# KiCad board frothfet.kicad_pcb (continued)
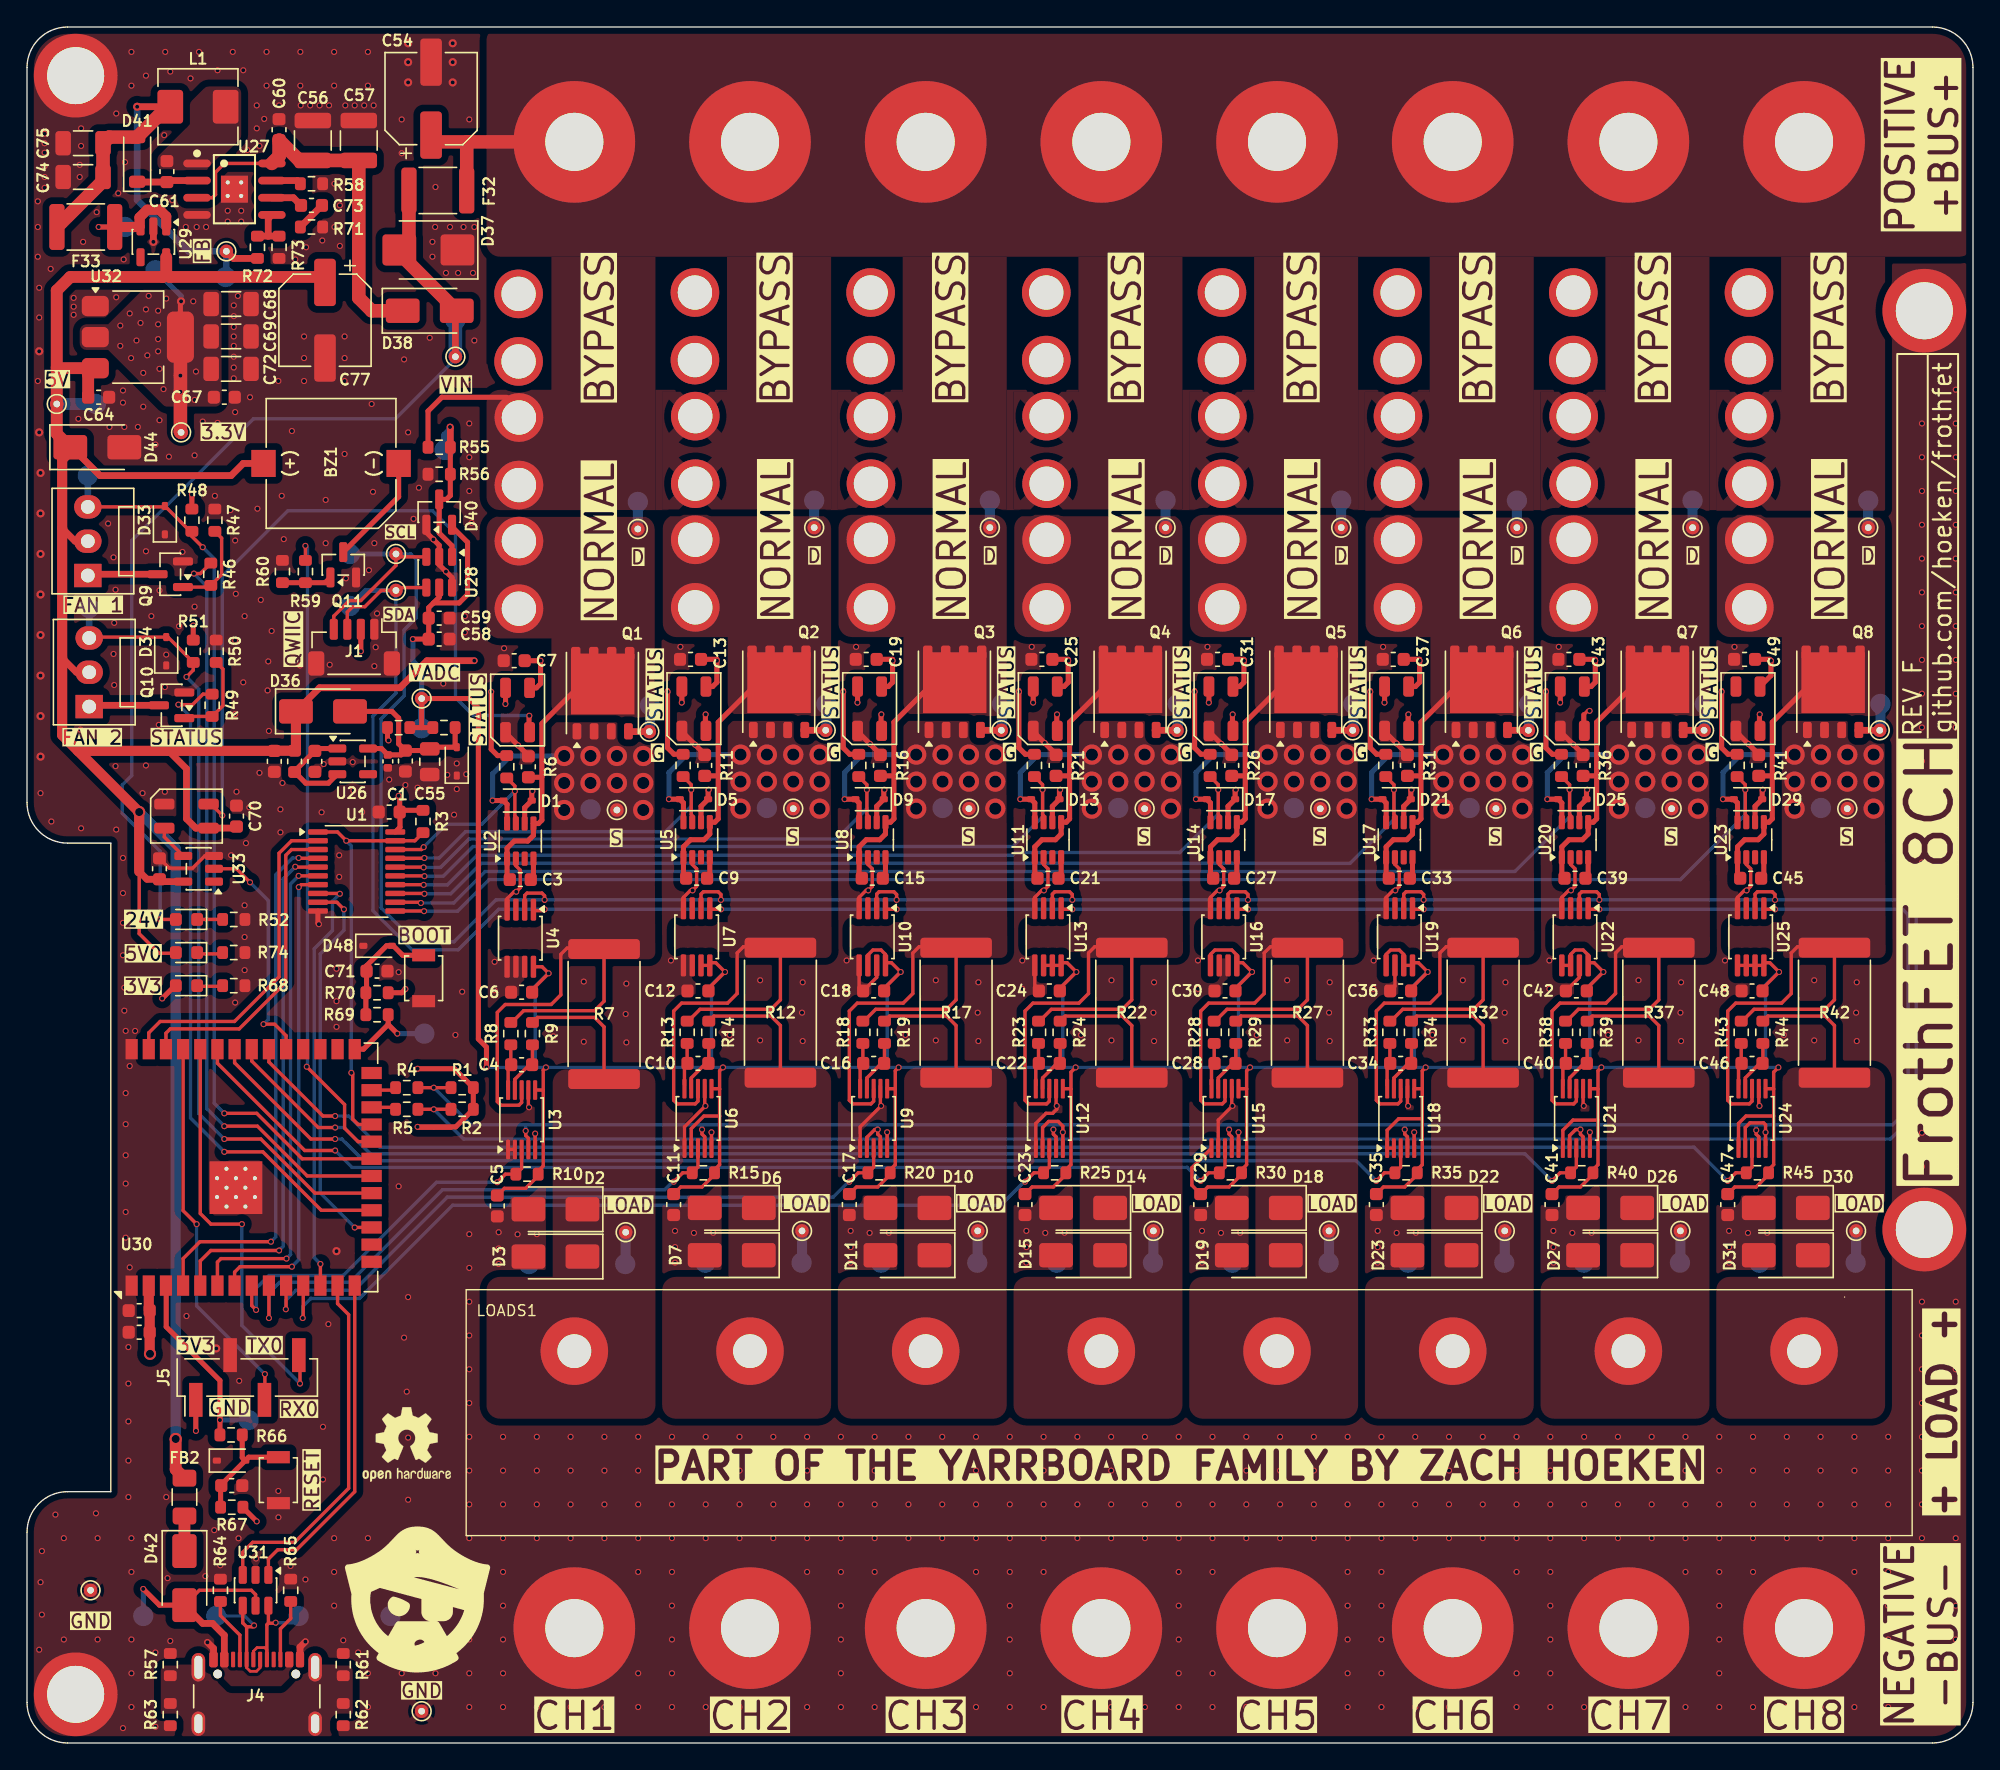
[diagram p0: board, top side]
## Routing (per net, layer and track width the routed paths; a pad name or vN(x,y) marks a point on that pad's centre or on a via; arc(x,y) is an arc through that point) (continued)
+5V: length 327.1
  Top w0.25: 11.01,58.45 9.75,58.45 8.3,59.9 8.3,64.5
  Top w0.375: D8.1 50.74,78.19 51.05,78.5 51.05,80.2 C13.2 ; C37.2 103.05,80.2 103.05,78.5 102.74,78.19 D24.1 ; C7.2 v1(38,80.1) 38,78.4 37.69,78.09 D4.1 ; D32.1 129.05,79 v1(129.05,80.1) 128.95,80.2 C49.2 ; C43.2 116.05,80.2 116.05,78.5 115.74,78.19 D28.1 ; D20.1 89.74,78.19 90.05,78.5 90.05,80.2 C31.2 ; C19.2 64.05,80.2 64.05,78.5 63.74,78.19 D12.1 ; C25.2 77.05,80.2 77.05,78.5 76.74,78.19 D16.1
  Top w0.5: 2.6,80.3 3.66,79.25 M2.2 ; C65.1 8.88,63.92 8.3,64.5 ; 15.39,67.71 D47.1 12.49,67.71 11.8,68.4 11.8,72.1 10.48,73.42 ; 2.6,89.9 3.55,88.94 4.5,88.94 ; v1(33.1,80.1) 29.6,80.1 27.6,78.1 21.65,78.1 D36.1 ; 3.4,95.8 5.4,93.8 15.1,93.8 16,94.7 BZ1.1 ; U33.5 9.98,63.75
  Top w0.75: FB1.1 18.31,73.44 ; D36.1 19.9,73.54 ; 8.3,64.5 v2(8.3,68.9) 3.77,73.42 ; 18.3,73.42 3.77,73.42 ; 3.77,73.42 2.6,74.6 2.6,95 3.4,95.8
  Top w0.875: 2.2,101.8 2.25,101.75 U32.3 4.52,101.22 C64.1 ; 2.2,101.8 2.2,107.5 3.2,108.5 10.05,108.5 10.3,108.75 ; 2.2,101.8 TP40.1 2.2,96.9 D44.1 ; 10.3,108.75 10.55,108.5 21.65,108.5 C77.1 ; 10.3,108.75 U29.5 ; v2(11,22.5) 11,20.25 FB2.2
  In2.Cu w0.5: v1(33.1,80.1) v1(129.05,80.1)
  Bottom w0.75: v2(11,22.5) 11,66.2 v2(8.3,68.9)
  Bottom w0.875: TP40.1 TP39.1
  vias: v1(51.05,80.1) v1(64.05,80.1) v1(77.05,80.1) v1(90.05,80.1) v1(103.05,80.1) v1(116.05,80.1)
+24V: length 23.4
  Top w0.375: 35.5,99.6 30.7,99.6 29.67,98.58 R55.2
  Top w1: F32.2 32.54,118.44 32.6,118.5 ; C54.1 30.4,118.5 32.6,118.5 ; 32.6,118.5 J2.1
/ESP32-S3/VBUS: length 17.9
  Top w0.25: D42.2 12.75,11.3 16.6,11.3 16.91,10.99 U31.5
  Top w0.375: D42.2 9.8,10.2 v1(8.6,11.4)
  Top w0.5: D42.2 13,8.85 13.72,8.85 14.6,7.97 J4.A4
  Bottom w0.375: TP42.1 v1(8.6,11.4)
GND: length 113.3
  Top w0.2: 126.57,61.78 126.57,62.51 ; 87.57,61.78 87.57,62.51 ; 113.57,61.78 113.57,62.51 ; U4.4 35.53,62.41 ; 100.57,61.78 100.57,62.51 ; 61.58,61.78 61.58,62.51 ; 74.58,61.78 74.58,62.51 ; 48.58,61.78 48.58,62.51
  Top w0.25: 114.22,65.55 114.22,65.03 114.55,64.7 114.55,63.4 v1(114.25,63.1) 114.09,63.1 113.57,62.59 113.57,61.78 ; 126.57,61.78 126.57,62.59 127.09,63.1 v1(127.25,63.1) 127.55,63.4 127.55,64.7 127.22,65.03 127.22,65.55 ; U15.2 88.15,46.1 v1(89.2,47.15) 89.15,47.2 89.15,48.6 ; U22.7 114.88,56.66 C42.2 ; 101.22,65.55 101.22,65.03 101.55,64.7 101.55,63.4 v1(101.25,63.1) 101.09,63.1 100.57,62.59 100.57,61.78 ; v1(102.2,47.15) 102.15,47.2 102.15,48.6 ; U10.7 62.88,56.66 C18.2 ; 101.22,57.55 101.22,56.01 C36.2 ; v1(37.15,47.05) 37.1,47.1 37.1,48.5 ; U2.2 36.17,64.93 36.5,64.6 36.5,63.3 v1(36.2,63) 36.04,63 35.53,62.49 U4.4 ; U3.2 U3.1 ; 74.58,61.78 74.58,62.59 75.09,63.1 v1(75.25,63.1) 75.55,63.4 75.55,64.7 75.22,65.03 75.22,65.55 ; 115.15,48.6 115.15,47.2 v1(115.2,47.15) ; U9.1 61.65,45.6 v1(63.2,47.15) 63.15,47.2 63.15,48.6 ; v1(128.2,47.15) 128.15,47.2 128.15,48.6 ; 61.58,61.78 61.58,62.59 62.09,63.1 v1(62.25,63.1) 62.55,63.4 62.55,64.7 62.22,65.03 U8.2 ; U13.5 74.58,55.96 ; 87.57,61.78 87.57,62.59 88.09,63.1 v1(88.25,63.1) 88.55,63.4 88.55,64.7 88.22,65.03 88.22,65.55 ; U10.5 61.58,55.96 ; 48.58,61.78 48.58,62.59 49.09,63.1 v1(49.25,63.1) 49.55,63.4 49.55,64.7 49.22,65.03 U5.2 ; C65.2 10.52,64.75 12.25,64.75 13.15,65.65 U33.3 ; U12.1 74.65,45.85 75.4,46.6 75.9,46.6 76.2,46.9 v1(76.2,47.15) 76.15,47.2 76.15,48.6 ; U6.1 48.65,45.6 v1(50.2,47.15) 50.15,47.2 50.15,48.6
  Top w0.375: U28.6 31.45,86.25 v1(31,86.7) 30.5,87.2 U28.2 30.5,88.65 v1(30.07,89.07) 29.55,89.6 D40.1 ; 87.41,74.91 v1(88.37,73.95) 89.15,73.17 ; 50.15,73.17 v1(49.44,73.89) 48.41,74.91 ; 76.15,73.17 v1(75.31,74.01) 74.41,74.91 ; 63.15,73.17 v1(62.39,73.94) 61.41,74.91 ; 128.15,73.17 v1(127.38,73.94) 126.41,74.91 ; U1.10 21.53,60.67 v1(21.6,60.6) ; 35.36,74.81 v1(36.33,73.83) 37.1,73.07 ; 113.41,74.91 v1(114.42,73.9) 115.15,73.17 ; 100.41,74.91 v1(101.35,73.97) 102.15,73.17
  Top w0.5: J4.A1 13.8,7 v1(13.35,7.45) ; J4.A12 20.2,7.1 v1(20.6,7.5) ; U29.2 v3(9.35,111.1)
  vias: v1(0.8,114.1) v1(0.8,112.2) v1(0.8,110) v1(0.8,100.8) v1(0.9,107.7) v1(0.9,105.5) v1(0.9,6.9) v1(1,70.3) v1(1,11.9) v1(1.1,14.2) v1(1.1,9.5) v1(1.3,119.1) v1(1.3,118.4) v1(1.3,117.7) v1(1.3,116.7) v1(1.3,115.9) v1(1.3,115.1) v1(1.75,109.1) v1(1.8,68.2) v1(2.1,16.9) v1(2.73,15.16) v1(2.73,7.66) v1(3.45,106.95) v1(3.45,106.3) v1(3.45,105.7) v1(3.8,98) v1(3.9,116.8) v1(3.9,115.9) v1(4,119.5) v1(4,118.2) v1(3.95,75) v1(4,67.7) v1(4.15,111.1) v1(5.15,113.3) v1(5.1,17) v1(5.23,15.16) v1(5.23,7.66) v1(6,90.25) v1(6.1,97.4) v1(6.4,87.75) v1(6.4,80.6) v1(6.55,85.35) v1(6.45,82.9) v1(6.45,78.3) v1(6.55,72.3) v1(6.6,120.6) v1(6.6,107) v1(6.6,67.6) v1(6.75,114.7) v1(7.15,109.8) v1(7.1,100.1) v1(7.1,99.2) v1(7.1,65.5) v1(7.1,62.9) v1(7.1,60.7) v1(7.1,58.3) v1(7.1,1.1) v1(7.25,117) v1(7.2,97.4) v1(7.2,55.9) v1(7.2,54.2) v1(7.3,52.7) v1(7.3,48.1) v1(7.3,45.8) v1(7.3,43.5) v1(7.3,41.4) v1(7.3,39.3) v1(7.3,37.4) v1(7.5,29.3) v1(7.5,26.6) v1(7.5,23.8) v1(7.5,20.9) v1(7.5,18.2) v1(7.6,50.1) v1(7.6,35.2) v1(7.73,125.16) v1(7.73,122.66) v1(7.73,15.16) v1(7.73,12.66) v1(7.73,7.66) v1(7.73,5.16) v1(7.73,2.66) v1(8,52.7) v1(8.2,97.4) v1(8.55,70.3) v1(8.6,98.9) v1(8.8,123.4) v1(8.8,88.2) v1(8.8,72.35) v1(9.2,83.4) v1(9.5,96.1) v1(9.5,6.7) v1(9.5,1.2) v1(9.8,97.9) v1(9.8,85.3) v1(9.75,75.35) v1(10.15,119) v1(10.23,125.16) v1(10.2,78.15) v1(10.2,70.4) v1(10.3,80.55) v1(10.3,18.2) v1(10.4,12.2) v1(10.5,95.2) v1(10.6,123.7) v1(10.6,7.55) v1(10.75,114.2) v1(11.25,82.65) v1(11.5,88.15) v1(11.75,112.2) v1(11.8,31.6) v1(12.1,123.2) v1(12.4,95.3) v1(12.4,84.1) v1(12.55,112.2) v1(12.72,125.16) v1(13,97.8) v1(13.25,112.2) v1(13.2,12.35) v1(13.85,15.75) v1(13.9,92.3) v1(14.1,123.8) v1(14.1,97.7) v1(14.3,13.15) v1(14.85,113.4) v1(14.85,112.6) v1(15.05,91.25) v1(15.1,65.7) v1(15.22,125.16) v1(15.3,106.4) v1(15.3,105.6) v1(15.3,104.8) v1(15.3,104.1) v1(15.3,103.4) v1(15.3,102.6) v1(15.3,101.8) v1(15.3,101) v1(15.4,98.5) v1(15.4,89) v1(15.4,81.6) v1(15.4,76.15) v1(15.4,54.8) v1(15.45,85.05) v1(15.5,70.4) v1(15.6,107.1) v1(15.7,26.8) v1(15.65,15.15) v1(15.85,113.4) v1(15.85,112.6) v1(16,123.8) v1(16,78.5) v1(16.1,83.4) v1(16.1,62) v1(16.1,59.65) v1(16.1,57.2) v1(16.2,66.6) v1(16.3,117.9) v1(16.5,99.6) v1(16.45,69.25) v1(17,121.2) v1(17,119.5) v1(17.05,91.35) v1(16.95,13.65) v1(17.2,118.2) v1(17.2,71.8) v1(17.3,84.6) v1(17.55,120.2) v1(17.72,125.16) v1(17.72,122.66) v1(17.85,80.05) v1(17.8,77.9) v1(17.9,74.9) v1(18.1,82.3) v1(18.6,100.8) v1(18.6,18.65) v1(18.6,16.7) v1(18.65,121.2) v1(18.85,92.3) v1(18.75,69.1) v1(18.75,67.4) v1(18.9,71.05) v1(19,89.1) v1(19.5,13.1) v1(19.6,97.1) v1(19.85,109.8) v1(20.22,125.16) v1(20.22,122.66) v1(20.25,121.2) v1(20.2,79.75) v1(20.5,104.1) v1(20.5,102.5) v1(20.5,100.8) v1(20.6,12.1) v1(20.65,110.7) v1(20.95,121.2) v1(21.65,121.2) v1(21.85,111.2) v1(21.8,68.88) v1(21.9,23.4) v1(21.9,19.5) v1(21.95,72.45) v1(22.1,92) v1(22.1,88.8) v1(22.35,121.2) v1(22.3,31) v1(22.4,79.8) v1(22.72,125.16) v1(22.72,122.66) v1(22.72,15.16) v1(22.72,12.66) v1(22.72,10.16) v1(22.75,115.4) v1(22.75,112.2) v1(22.9,57.3) v1(22.9,54.9) v1(22.9,53) v1(23.1,65.7) v1(23.1,64.1) v1(23.15,113.8) v1(23.15,110.8) v1(23.4,7.6) v1(23.55,121.2) v1(23.5,104.1) v1(23.5,102.5) v1(23.5,100.8) v1(23.5,95.4) v1(23.6,86.2) v1(24.1,72.6) v1(24.25,121.2) v1(24.15,70.5) v1(24.5,6.7) v1(24.5,1.2) v1(24.8,68.9) v1(24.95,121.2) v1(25.22,125.16) v1(25.22,122.66) v1(25.22,15.16) v1(25.22,12.66) v1(25.22,10.16) v1(25.22,5.16) v1(25.22,2.66) v1(25.3,86.8) v1(25.5,99.1) v1(25.6,92.6) v1(25.65,121.2) v1(25.7,88.8) v1(25.7,79.7) v1(25.8,81.1) v1(25.9,83.6) v1(26.8,71.3) v1(27.5,57.05) v1(27.5,41.2) v1(27.72,120.16) v1(27.72,117.66) v1(27.72,15.16) v1(27.72,12.66) v1(27.72,7.66) v1(27.72,5.16) v1(27.9,102.4) v1(27.9,30) v1(28,70.9) v1(28.1,26) v1(28.2,97) v1(28.2,33) v1(28.2,22.6) v1(28.2,18) v1(28.6,90.6) v1(28.9,70.7) v1(29,92.9) v1(29.8,104) v1(29.8,70.6) v1(30,111.1) v1(30,110) v1(30.22,115.16) v1(30.2,112.2) v1(30.22,15.16) v1(30.22,12.66) v1(30.22,10.16) v1(30.22,7.66) v1(30.22,5.16) v1(30.8,78.4) v1(31,108.8) v1(31.1,71.65) v1(31.3,112.2) v1(31.6,68.7) v1(31.7,52.4) v1(31.8,72.5) v1(31.8,70.6) v1(31.9,108.8) v1(32.2,55.6) v1(32.3,112.2) v1(32.4,83.4) v1(32.4,82.2) v1(32.5,71.7) v1(32.72,120.16) v1(32.7,100.9) v1(32.72,97.66) v1(32.72,95.16) v1(32.72,92.66) v1(32.72,37.66) v1(32.72,35.16) v1(32.72,32.66) v1(32.72,30.16) v1(32.72,27.66) v1(32.72,25.16) v1(32.72,22.66) v1(32.72,20.16) v1(32.72,17.66) v1(32.72,15.16) v1(32.72,12.66) v1(32.72,10.16) v1(32.72,7.66) v1(32.72,5.16) v1(32.72,2.66) v1(32.9,90.3) v1(33,108.8) v1(33.1,112.2) v1(33.1,103.8) v1(34.6,57.81) v1(34.6,55.71) v1(34.9,37.8) v1(34.9,36.6) v1(34.9,35.45) v1(35.22,22.66) v1(35.22,20.16) v1(35.22,17.66) v1(35.22,15.16) v1(35.22,12.66) v1(35.22,10.16) v1(35.22,7.66) v1(35.22,5.16) v1(35.22,2.66) v1(35.3,81.03) v1(36.3,37.65) v1(37.72,37.66) v1(37.72,22.66) v1(37.72,20.16) v1(37.72,17.66) v1(37.72,15.16) v1(37.72,2.66) v1(38.95,52.3) v1(40.22,22.66) v1(40.22,20.16) v1(40.22,17.66) v1(40.22,15.16) v1(40.22,2.66) v1(41.2,56.35) v1(41.2,51.9) v1(42.72,22.66) v1(42.72,20.16) v1(42.72,17.66) v1(42.72,15.16) v1(42.72,2.66) v1(44.35,56.2) v1(44.3,53.95) v1(44.35,51.85) v1(45.22,22.66) v1(45.22,20.16) v1(45.22,17.66) v1(45.22,15.16) v1(45.22,12.66) v1(45.22,5.16) v1(45.22,2.66) v1(47.65,57.91) v1(47.65,55.81) v1(47.72,22.66) v1(47.72,20.16) v1(47.72,17.66) v1(47.72,15.16) v1(47.72,12.66) v1(47.72,10.16) v1(47.72,7.66) v1(47.72,5.16) v1(47.72,2.66) v1(47.95,37.9) v1(47.95,36.7) v1(47.95,35.55) v1(48.35,81.12) v1(49.35,37.75) v1(50.22,22.66) v1(50.22,20.16) v1(50.22,17.66) v1(50.22,15.16) v1(50.22,2.66) v1(50.78,37.76) v1(52,52.4) v1(52.72,22.66) v1(52.72,20.16) v1(52.72,17.66) v1(52.72,15.16) v1(52.72,2.66) v1(54.25,56.45) v1(54.25,52) v1(55.22,22.66) v1(55.22,20.16) v1(55.22,17.66) v1(55.22,15.16) v1(55.22,2.66) v1(57.35,54.05) v1(57.4,56.3) v1(57.4,51.95) v1(57.72,22.66) v1(57.72,20.16) v1(57.72,17.66) v1(57.72,15.16) v1(57.72,12.66) v1(57.72,2.66) v1(60.22,22.66) v1(60.22,20.16) v1(60.22,17.66) v1(60.22,15.16) v1(60.22,12.66) v1(60.22,10.16) v1(60.22,7.66) v1(60.22,5.16) v1(60.22,2.66) v1(60.65,57.91) v1(60.65,55.81) v1(60.95,37.9) v1(60.95,36.7) v1(60.95,35.55) v1(61.35,81.12) v1(62.35,37.75) v1(62.72,22.66) v1(62.72,20.16) v1(62.72,17.66) v1(62.72,15.16) v1(62.72,12.66) v1(62.72,2.66) v1(63.78,37.76) v1(65,52.4) v1(65.22,22.66) v1(65.22,20.16) v1(65.22,17.66) v1(65.22,15.16) v1(65.22,2.66) v1(67.25,56.45) v1(67.25,52) v1(67.72,22.66) v1(67.72,20.16) v1(67.72,17.66) v1(67.72,15.16) v1(67.72,2.66) v1(70.22,22.66) v1(70.22,20.16) v1(70.22,17.66) v1(70.22,15.16) v1(70.22,12.66) v1(70.22,2.66) v1(70.35,54.05) v1(70.4,56.3) v1(70.4,51.95) v1(72.72,22.66) v1(72.72,20.16) v1(72.72,17.66) v1(72.72,15.16) v1(72.72,12.66) v1(72.72,10.16) v1(72.72,7.66) v1(72.72,5.16) v1(72.72,2.66) v1(73.65,57.91) v1(73.65,55.81) v1(73.95,37.9) v1(73.95,36.7) v1(73.95,35.55) v1(74.35,81.12) v1(75.22,22.66) v1(75.22,20.16) v1(75.22,17.66) v1(75.22,15.16) v1(75.22,12.66) v1(75.22,2.66) v1(75.35,37.75) v1(76.78,37.76) v1(77.72,22.66) v1(77.72,20.16) v1(77.72,17.66) v1(77.72,15.16) v1(77.72,2.66) v1(78,52.4) v1(80.25,56.45) v1(80.25,52) v1(80.22,22.66) v1(80.22,20.16) v1(80.22,17.66) v1(80.22,15.16) v1(80.22,2.66) v1(82.72,22.66) v1(82.72,20.16) v1(82.72,17.66) v1(82.72,15.16) v1(82.72,2.66) v1(83.35,54.05) v1(83.4,56.3) v1(83.4,51.95) v1(85.22,22.66) v1(85.22,20.16) v1(85.22,17.66) v1(85.22,15.16) v1(85.22,12.66) v1(85.22,10.16) v1(85.22,7.66) v1(85.22,5.16) v1(85.22,2.66) v1(86.65,57.91) v1(86.65,55.81) v1(86.95,37.9) v1(86.95,36.7) v1(86.95,35.55) v1(87.35,81.12) v1(87.72,22.66) v1(87.72,20.16) v1(87.72,17.66) v1(87.72,15.16) v1(87.72,12.66) v1(87.72,5.16) v1(87.72,2.66) v1(88.35,37.75) v1(89.78,37.76) v1(90.22,22.66) v1(90.22,20.16) v1(90.22,17.66) v1(90.22,15.16) v1(90.22,2.66) v1(91,52.4) v1(92.72,22.66) v1(92.72,20.16) v1(92.72,17.66) v1(92.72,15.16) v1(92.72,2.66) v1(93.25,56.45) v1(93.25,52) v1(95.22,22.66) v1(95.22,20.16) v1(95.22,17.66) v1(95.22,15.16) v1(95.22,2.66) v1(96.35,54.05) v1(96.4,56.3) v1(96.4,51.95) v1(97.72,22.66) v1(97.72,20.16) v1(97.72,17.66) v1(97.72,15.16) v1(97.72,12.66) v1(97.72,10.16) v1(97.72,7.66) v1(97.72,5.16) v1(97.72,2.66) v1(99.65,57.91) v1(99.65,55.81) v1(99.95,37.9) v1(99.95,36.7) v1(99.95,35.55) v1(100.22,22.66) v1(100.22,20.16) v1(100.22,17.66) v1(100.22,15.16) v1(100.22,12.66) v1(100.22,10.16) v1(100.22,7.66) v1(100.22,5.16) v1(100.22,2.66) v1(100.35,81.12) v1(101.35,37.75) v1(102.72,22.66) v1(102.72,20.16) v1(102.72,17.66) v1(102.72,15.16) v1(102.72,2.66) v1(102.78,37.76) v1(104,52.4) v1(105.22,22.66) v1(105.22,20.16) v1(105.22,17.66) v1(105.22,15.16) v1(105.22,2.66) v1(106.25,56.45) v1(106.25,52) v1(107.72,22.66) v1(107.72,20.16) v1(107.72,17.66) v1(107.72,15.16) v1(107.72,2.66) v1(109.35,54.05) v1(109.4,56.3) v1(109.4,51.95) v1(110.22,22.66) v1(110.22,20.16) v1(110.22,17.66) v1(110.22,15.16) v1(110.22,12.66) v1(110.22,5.16) v1(110.22,2.66) v1(112.65,57.91) v1(112.65,55.81) v1(112.72,22.66) v1(112.72,20.16) v1(112.72,17.66) v1(112.72,15.16) v1(112.72,12.66) v1(112.72,10.16) v1(112.72,7.66) v1(112.72,5.16) v1(112.72,2.66) v1(112.95,37.9) v1(112.95,36.7) v1(112.95,35.55) v1(113.35,81.12) v1(114.35,37.75) v1(115.22,22.66) v1(115.22,20.16) v1(115.22,17.66) v1(115.22,15.16) v1(115.22,2.66) v1(115.78,37.76) v1(117,52.4) v1(117.72,22.66) v1(117.72,20.16) v1(117.72,17.66) v1(117.72,15.16) v1(117.72,2.66) v1(119.25,56.45) v1(119.25,52) v1(120.22,22.66) v1(120.22,20.16) v1(120.22,17.66) v1(120.22,15.16) v1(120.22,2.66) v1(122.35,54.05) v1(122.4,56.3) v1(122.4,51.95) v1(122.72,22.66) v1(122.72,20.16) v1(122.72,17.66) v1(122.72,15.16) v1(122.72,12.66) v1(122.72,2.66) v1(125.22,22.66) v1(125.22,20.16) v1(125.22,17.66) v1(125.22,15.16) v1(125.22,12.66) v1(125.22,10.16) v1(125.22,7.66) v1(125.22,5.16) v1(125.22,2.66) v1(125.65,57.91) v1(125.65,55.81) v1(125.95,37.9) v1(125.95,36.7) v1(125.95,35.55) v1(126.35,81.12) v1(127.35,37.75) v1(127.72,22.66) v1(127.72,20.16) v1(127.72,17.66) v1(127.72,15.16) v1(127.72,12.66) v1(127.72,2.66) v1(128.78,37.76) v1(130,52.4) v1(130.22,22.66) v1(130.22,20.16) v1(130.22,17.66) v1(130.22,15.16) v1(130.22,2.66) v1(132.25,56.45) v1(132.25,52) v1(132.72,22.66) v1(132.72,20.16) v1(132.72,17.66) v1(132.72,15.16) v1(132.72,2.66) v1(135.22,22.66) v1(135.22,20.16) v1(135.22,17.66) v1(135.22,15.16) v1(135.22,12.66) v1(135.22,2.66) v1(135.35,54.05) v1(135.4,56.3) v1(135.4,51.95) v1(137.72,22.66) v1(137.72,20.16) v1(137.72,17.66) v1(137.72,15.16) v1(137.72,12.66) v1(137.72,10.16) v1(137.72,7.66) v1(137.72,5.16) v1(137.72,2.66) v1(140.22,97.66) v1(140.22,95.16) v1(140.22,92.66) v1(140.22,90.16) v1(140.22,87.66) v1(140.22,85.16) v1(140.22,82.66) v1(140.22,80.16) v1(140.22,77.66) v1(140.22,75.16) v1(140.22,72.66) v1(140.22,70.16) v1(140.22,67.66) v1(140.22,65.16) v1(140.22,45.16) v1(140.22,42.66) v1(140.22,32.66) v1(140.22,30.16) v1(140.22,27.66) v1(140.22,25.16) v1(140.22,22.66) v1(140.22,20.16) v1(140.22,17.66) v1(140.22,15.16) v1(140.22,12.66) v1(140.22,10.16) v1(140.22,7.66) v1(140.22,5.16) v1(140.22,2.66) v1(142.72,100.16) v1(142.72,97.66) v1(142.72,95.16) v1(142.72,92.66) v1(142.72,90.16) v1(142.72,87.66) v1(142.72,85.16) v1(142.72,82.66) v1(142.72,80.16) v1(142.72,77.66) v1(142.72,75.16) v1(142.72,72.66) v1(142.72,70.16) v1(142.72,67.66) v1(142.72,65.16) v1(142.72,62.66) v1(142.72,60.16) v1(142.72,57.66) v1(142.72,55.16) v1(142.72,52.66) v1(142.72,50.16) v1(142.72,47.66) v1(142.72,45.16) v1(142.72,42.66) v1(142.72,32.66) v1(142.72,30.16) v1(142.72,27.66) v1(142.72,25.16) v1(142.72,22.66) v1(142.72,20.16) v1(142.72,17.66) v1(142.72,15.16) v1(142.72,12.66) v1(142.72,10.16) v1(142.72,7.66) v1(142.72,5.16) v1(142.72,2.66) v3(0.9,103) v3(0.9,97) v3(1,94) v3(1,91) v3(1,88) v3(1,85) v3(1,82) v3(1,79) v3(1,76) v3(1,73) v3(14,29.2) v3(22.9,36.4) v3(28.2,125.8) v3(28.2,124.4) v3(28.2,122.9) v3(31.5,125.8) v3(31.5,124.4) v3(31.5,122.9)
/CHANNEL 1/LED_DOUT: length 17.5
  Top w0.25: 50.2,76.11 v1(50.22,76.13)
  Top w0.375: v1(35.4,76.9) 35.41,76.91 D4.2 ; 50.2,74.92 50.2,76.11
  In2.Cu w0.375: v1(50.22,76.13) 47.47,76.13 46.7,76.9 v1(35.4,76.9)
/CHANNEL 1/LOAD_SWITCHED: length 42.9
  Top w0.25: U3.8 36.6,47.4 36.4,47.2 35.07,47.2 34.8,47.47 34.8,54.07 35.39,54.66 38.79,54.66 39.5,55.37 39.5,58.37 39.96,58.83 42.7,58.83 ; 35.88,53.33 36.75,54.2 42,54.2 42.7,54.9 R7.1
  Top w0.375: U2.8 35.53,69.47 D1.2 v1(34.45,69.75)
  Bottom w0.375: v4(39.75,73.05) 35.78,73.05 34.45,71.72 v1(34.45,69.75)
  vias: v4(39.75,71.05) v4(39.75,69.05) v4(41.7,73.05) v4(41.7,71.05) v4(43.65,73.05) v4(43.65,71.05) v4(45.6,73.05) v4(45.6,71.05) v4(45.6,69.05)
/CHANNEL 1/LOAD_VSS: length 20.4
  Top w0.375: 38.1,71.5 38.1,68.3 37.85,68.05 U2.5 37.47,67.17 37.05,66.75 36.05,66.75 35.53,66.22 U2.1 35.53,64.05 ; 38.1,71.5 38.1,75.45 41.03,78.38 ; 38.1,71.5 38.08,71.47 C2.1
  Bottom w0.75: TP50.1 TP4.1
/CHANNEL 2/LED_DOUT: length 17.5
  Top w0.25: 63.2,76.11 v1(63.22,76.13)
  Top w0.375: v1(48.45,77) 48.46,77.01 D8.2 ; 63.2,74.92 63.2,76.11
  In2.Cu w0.375: v1(48.45,77) 59.9,77 60.77,76.13 v1(63.22,76.13)
/CHANNEL 2/LOAD_SWITCHED: length 42.9
  Top w0.25: U6.8 49.65,47.5 49.45,47.3 48.12,47.3 47.85,47.57 47.85,54.17 48.44,54.76 51.84,54.76 52.55,55.47 52.55,58.47 53.01,58.93 55.75,58.93 ; 48.92,53.42 49.8,54.3 55.05,54.3 55.75,55 R12.1
  Top w0.375: v1(47.5,69.85) D5.2 48.58,69.58 U5.8
  Bottom w0.375: v4(52.8,73.15) 48.83,73.15 47.5,71.83 v1(47.5,69.85)
  vias: v4(52.8,71.15) v4(52.8,69.15) v4(54.75,73.15) v4(54.75,71.15) v4(56.7,73.15) v4(56.7,71.15) v4(58.65,73.15) v4(58.65,71.15) v4(58.65,69.15)
/CHANNEL 2/LOAD_VSS: length 20.4
  Top w0.375: 51.15,71.6 51.12,71.58 50.15,71.58 ; 51.15,71.6 51.15,75.55 54.08,78.47 ; 51.15,71.6 51.15,68.4 50.9,68.15 U5.5 50.53,67.28 50.1,66.85 49.1,66.85 48.58,66.33 U5.1 48.58,64.15
  Bottom w0.75: TP54.1 TP8.1
/CHANNEL 3/LED_DOUT: length 17.6
  Top w0.25: 76.2,76.11 v1(76.22,76.13)
  Top w0.375: D12.2 61.46,77.01 v1(61.45,77) ; 76.2,74.92 76.2,76.11
  In2.Cu w0.375: v1(76.22,76.13) 76.19,76.1 73.5,76.1 72.6,77 v1(61.45,77)
/CHANNEL 3/LOAD_SWITCHED: length 42.9
  Top w0.25: U9.8 62.65,47.5 62.45,47.3 61.12,47.3 60.85,47.57 60.85,54.17 61.44,54.76 64.84,54.76 65.55,55.47 65.55,58.47 66.01,58.93 68.75,58.93 ; 61.92,53.42 62.8,54.3 68.05,54.3 68.75,55 R17.1
  Top w0.375: v1(60.5,69.85) D9.2 61.58,69.58 U8.8
  Bottom w0.375: v1(60.5,69.85) 60.5,71.83 61.83,73.15 v4(65.8,73.15)
  vias: v4(65.8,71.15) v4(65.8,69.15) v4(67.75,73.15) v4(67.75,71.15) v4(69.7,73.15) v4(69.7,71.15) v4(71.65,73.15) v4(71.65,71.15) v4(71.65,69.15)
/CHANNEL 3/LOAD_VSS: length 20.4
  Top w0.375: 61.58,64.15 U8.1 61.58,66.33 62.1,66.85 63.1,66.85 63.53,67.28 U8.5 63.9,68.15 64.15,68.4 64.15,71.6 ; 67.08,78.47 64.15,75.55 64.15,71.6 ; 64.15,71.6 64.12,71.58 63.15,71.58
  Bottom w0.75: TP58.1 TP12.1
/CHANNEL 4/LED_DOUT: length 17.5
  Top w0.25: 89.2,76.11 v1(89.22,76.13)
  Top w0.375: 89.2,74.92 89.2,76.11 ; D16.2 74.46,77.01 v1(74.45,77)
  In2.Cu w0.375: v1(74.45,77) 85.7,77 86.55,76.15 89.2,76.15 v1(89.22,76.13)
/CHANNEL 4/LOAD_SWITCHED: length 42.9
  Top w0.25: 81.75,58.93 79.01,58.93 78.55,58.47 78.55,55.47 77.84,54.76 74.44,54.76 73.85,54.17 73.85,47.57 74.12,47.3 75.45,47.3 75.65,47.5 U12.8 ; R22.1 81.75,55 81.05,54.3 75.8,54.3 74.92,53.42
  Top w0.375: v1(73.5,69.85) D13.2 74.58,69.58 U11.8
  Bottom w0.375: v1(73.5,69.85) 73.5,71.83 74.83,73.15 v4(78.8,73.15)
  vias: v4(78.8,71.15) v4(78.8,69.15) v4(80.75,73.15) v4(80.75,71.15) v4(82.7,73.15) v4(82.7,71.15) v4(84.65,73.15) v4(84.65,71.15) v4(84.65,69.15)
/CHANNEL 4/LOAD_VSS: length 20.4
  Top w0.375: 76.15,71.58 77.12,71.58 77.15,71.6 ; 77.15,71.6 77.15,68.4 76.9,68.15 U11.5 76.53,67.28 76.1,66.85 75.1,66.85 74.58,66.33 U11.1 74.58,64.15 ; 77.15,71.6 77.15,75.55 80.07,78.47
  Bottom w0.75: TP62.1 TP16.1
/CHANNEL 5/LED_DOUT: length 17.5
  Top w0.25: 102.2,76.11 v1(102.22,76.13)
  Top w0.375: 102.2,74.92 102.2,76.11 ; D20.2 87.46,77.01 v1(87.45,77)
  In2.Cu w0.375: v1(87.45,77) 98.75,77 99.6,76.15 102.2,76.15 v1(102.22,76.13)
/CHANNEL 5/LOAD_SWITCHED: length 42.9
  Top w0.25: U15.8 88.65,47.5 88.45,47.3 87.12,47.3 86.85,47.57 86.85,54.17 87.44,54.76 90.84,54.76 91.55,55.47 91.55,58.47 92.01,58.93 94.75,58.93 ; R27.1 94.75,55 94.05,54.3 88.8,54.3 87.93,53.42
  Top w0.375: U14.8 87.57,69.58 D17.2 v1(86.5,69.85)
  Bottom w0.375: v4(91.8,73.15) 87.82,73.15 86.5,71.83 v1(86.5,69.85)
  vias: v4(91.8,71.15) v4(91.8,69.15) v4(93.75,73.15) v4(93.75,71.15) v4(95.7,73.15) v4(95.7,71.15) v4(97.65,73.15) v4(97.65,71.15) v4(97.65,69.15)
/CHANNEL 5/LOAD_VSS: length 20.4
  Top w0.375: 90.15,71.6 90.12,71.58 89.15,71.58 ; 90.15,71.6 90.15,75.55 93.07,78.47 ; 90.15,71.6 90.15,68.4 89.9,68.15 U14.5 89.53,67.28 89.1,66.85 88.1,66.85 87.57,66.33 U14.1 87.57,64.15
  Bottom w0.75: TP66.1 TP20.1
/CHANNEL 6/LED_DOUT: length 18.6
  Top w0.25: 115.2,76.11 115.48,76.39 v1(115.63,76.39)
  Top w0.375: D24.2 100.46,77.01 v1(100.45,77) ; 115.2,74.92 115.2,76.11
  In2.Cu w0.375: v1(115.63,76.39) 115.37,76.13 112.37,76.13 111.5,77 v1(100.45,77)
/CHANNEL 6/LOAD_SWITCHED: length 42.9
  Top w0.25: 100.93,53.42 101.8,54.3 107.05,54.3 107.75,55 R32.1 ; U18.8 101.65,47.5 101.45,47.3 100.12,47.3 99.85,47.57 99.85,54.17 100.44,54.76 103.84,54.76 104.55,55.47 104.55,58.47 105.01,58.93 107.75,58.93
  Top w0.375: U17.8 100.57,69.58 D21.2 v1(99.5,69.85)
  Bottom w0.375: v1(99.5,69.85) 99.5,71.83 100.82,73.15 v4(104.8,73.15)
  vias: v4(104.8,71.15) v4(104.8,69.15) v4(106.75,73.15) v4(106.75,71.15) v4(108.7,73.15) v4(108.7,71.15) v4(110.65,73.15) v4(110.65,71.15) v4(110.65,69.15)
/CHANNEL 6/LOAD_VSS: length 20.4
  Top w0.375: 100.57,64.15 U17.1 100.57,66.33 101.1,66.85 102.1,66.85 102.53,67.28 U17.5 102.9,68.15 103.15,68.4 103.15,71.6 ; 103.15,71.6 103.15,75.55 106.07,78.47 ; 103.15,71.6 103.12,71.58 102.15,71.58
  Bottom w0.75: TP70.1 TP24.1
/CHANNEL 7/LED_DOUT: length 17.5
  Top w0.25: 128.2,76.11 v1(128.22,76.13)
  Top w0.375: 128.2,74.92 128.2,76.11 ; D28.2 113.46,77.01 v1(113.45,77)
  In2.Cu w0.375: v1(113.45,77) 124.6,77 125.47,76.13 v1(128.22,76.13)
/CHANNEL 7/LOAD_SWITCHED: length 42.9
  Top w0.25: 120.75,58.93 118.01,58.93 117.55,58.47 117.55,55.47 116.84,54.76 113.44,54.76 112.85,54.17 112.85,47.57 113.12,47.3 114.45,47.3 114.65,47.5 U21.8 ; 113.93,53.42 114.8,54.3 120.05,54.3 120.75,55 R37.1
  Top w0.375: v1(112.5,69.85) D25.2 113.57,69.58 U20.8
  Bottom w0.375: v4(117.8,73.15) 113.82,73.15 112.5,71.83 v1(112.5,69.85)
  vias: v4(117.8,71.15) v4(117.8,69.15) v4(119.75,73.15) v4(119.75,71.15) v4(121.7,73.15) v4(121.7,71.15) v4(123.65,73.15) v4(123.65,71.15) v4(123.65,69.15)
/CHANNEL 7/LOAD_VSS: length 20.4
  Top w0.375: 113.57,64.15 U20.1 113.57,66.33 114.1,66.85 115.1,66.85 115.53,67.28 U20.5 115.9,68.15 116.15,68.4 116.15,71.6 ; 116.15,71.6 116.12,71.58 115.15,71.58 ; 116.15,71.6 116.15,75.55 119.07,78.47
  Bottom w0.75: TP74.1 TP28.1
/CHANNEL 8/LOAD_SWITCHED: length 42.9
  Top w0.25: 126.93,53.42 127.8,54.3 133.05,54.3 133.75,55 R42.1 ; 133.75,58.93 131.01,58.93 130.55,58.47 130.55,55.47 129.84,54.76 126.44,54.76 125.85,54.17 125.85,47.57 126.12,47.3 127.45,47.3 127.65,47.5 U24.8
  Top w0.375: U23.8 126.57,69.58 D29.2 v1(125.5,69.85)
  Bottom w0.375: v4(130.8,73.15) 126.82,73.15 125.5,71.83 v1(125.5,69.85)
  vias: v4(130.8,71.15) v4(130.8,69.15) v4(132.75,73.15) v4(132.75,71.15) v4(134.7,73.15) v4(134.7,71.15) v4(136.65,73.15) v4(136.65,71.15) v4(136.65,69.15)
/CHANNEL 8/LOAD_VSS: length 20.4
  Top w0.375: 129.15,71.6 129.15,68.4 128.9,68.15 U23.5 128.53,67.28 128.1,66.85 127.1,66.85 126.57,66.33 U23.1 126.57,64.15 ; 129.15,71.6 129.15,75.55 132.07,78.47 ; 129.15,71.6 129.12,71.58 128.15,71.58